# KiCad board msf-owl-clock.kicad_pcb (continued)
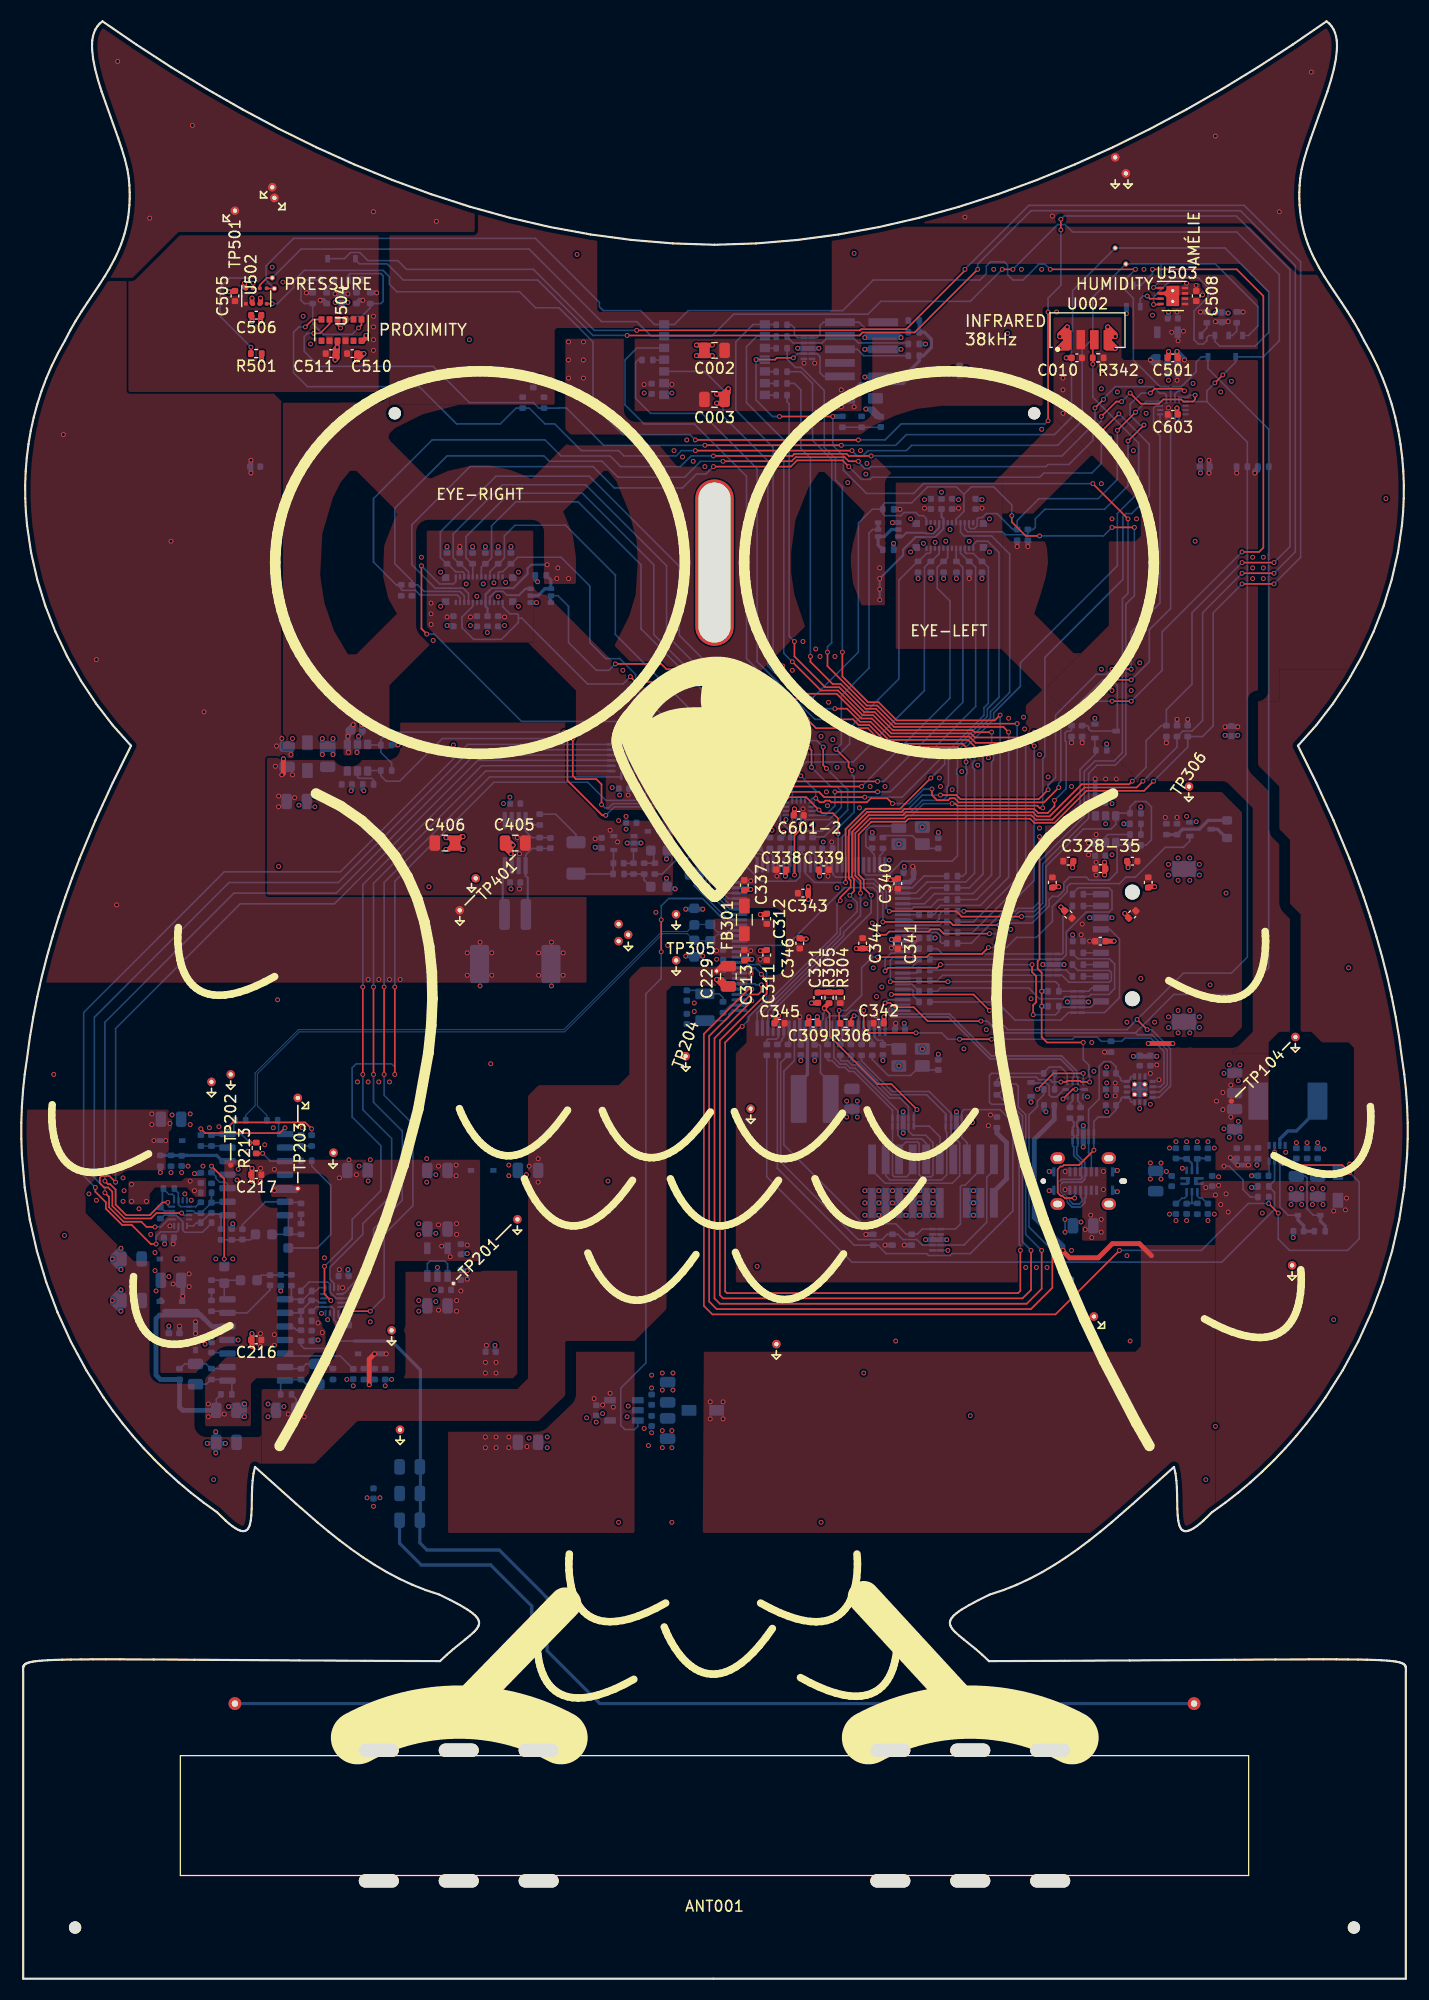
[diagram p0: board, top side]
## Routing (per net, layer and track width the routed paths; a pad name or vN(x,y) marks a point on that pad's centre or on a via; arc(x,y) is an arc through that point) (continued)
  Top w0.152: v1(76.84,101.1) 76.84,101.4 77.83,102.38 77.83,102.99 77.65,103.17 77.65,107.67 79.39,109.41 82.59,109.41 82.88,109.7 95.04,109.7 95.43,109.32 96.31,109.32 96.94,109.95 v1(96.94,110.5) ; v1(114.54,133.8) 116.14,133.8 116.54,134.2 116.54,157.8 114.04,160.3 v1(106.14,160.3) ; v1(104.14,119.8) v1(102.34,119.8)
  Bottom w0.152: v1(102.34,119.8) 100.44,119.8 98.54,117.9 R507.2 98.54,117.1 98.43,116.98 98.12,116.98 97.94,116.81 97.94,116.1 98.04,116 98.04,111.6 v1(96.94,110.5) ; v1(76.84,101.1) 76.54,100.8 76.54,98.06 69.04,90.56 U301.100 ; Q503.3 105.04,158.8 106.14,159.9 v1(106.14,160.3) ; v1(104.14,119.8) 107.04,122.7 107.04,126.3 v1(114.54,133.8)
/3-mcu-core/~{SDCARD_BUSYLED}: length 1.8
  Bottom w0.305: Q301.3 112.24,107.8 113.07,106.97 LED001.1
/3-mcu-core/~{SDCARD_FAULT}: length 50
  Top w0.152: v1(80.34,97.9) 81.14,97.9 81.44,98.2 85.14,98.2 85.34,98.4 86.14,98.4 86.54,98 v1(90.84,98)
  Bottom w0.152: R344.2 102.94,106.3 U302.4 102.83,106.42 102.83,103.78 102.06,103.02 100.23,103.02 99.94,103.3 98.34,103.3 97.83,102.78 97.83,102.04 97.28,101.5 96.74,101.5 96.45,101.2 96.45,100.6 94.84,98.99 92.64,98.99 91.64,98 v1(90.84,98) ; v1(80.34,97.9) 80.34,101.9 79.93,102.32 77.26,102.32 71.84,96.9 68.27,96.9 68.17,96.8 U301.13
/3-mcu-core/~{SS}: length 6.6
  Top w0.152: v1(72.54,103.5) 72.54,107.2 73.14,107.8 v1(73.14,108.3)
  Bottom w0.152: U602.2 v1(73.14,108.3)
  Bottom w0.305: U301.33 v1(72.54,103.5)
/3-mcu-core/~{TFT_RESET}: length 157.1
  Top w0.152: v1(95.54,135.3) 94.24,135.3 92.94,136.6 v1(92.94,137.2) ; v1(74.14,120) 72.34,120 70.74,121.6 57.64,121.6 v1(57.14,122.1) ; v1(104.44,136.1) v1(102.34,136.1) ; v1(80.84,99.1) 87.14,99.1 87.44,98.8 v1(91.74,98.8)
  Bottom w0.152: v1(91.74,98.8) 92.24,99.3 92.87,99.3 93.65,100.08 95.06,100.08 95.84,100.85 95.84,104.52 100.14,108.83 100.14,113 100.94,113.8 102.64,113.8 103.64,114.8 103.64,128.9 104.44,129.7 v1(104.44,136.1) ; NT607.1 82.84,137.5 82.54,137.2 81.04,137.2 80.83,137.41 R614.2 ; v1(102.34,136.1) 101.54,135.3 v1(95.54,135.3) ; v1(80.84,99.1) 80.84,101.83 79.97,102.7 78.64,102.7 78.04,103.3 76.41,103.3 76.17,103.54 76.17,103.7 76.04,103.83 U301.40 ; NT608.1 46.64,127.9 46.64,127.2 45.04,125.6 42.44,125.6 41.34,126.7 NT606.1 ; 88.44,139.2 89.14,139.9 91.24,139.9 92.94,138.2 v1(92.94,137.2) ; 88.44,139.2 87.74,139.9 85.04,139.9 83.54,138.4 81.04,138.4 80.83,138.19 R614.2 ; 88.44,139.2 NT605.1 ; R614.2 79.84,137.8 78.54,136.5 78.54,124.4 v1(74.14,120) ; 46.64,127.6 46.95,127.6 53.13,121.42 56.46,121.42 v1(57.14,122.1)
/3-mcu-core/~{WP}: length 23.9
  Top w0.152: v1(81.54,93.5) v1(86.94,93.5)
  Bottom w0.152: v1(81.54,93.5) 81.54,95.5 81.84,95.8 U301.65 ; CONN002.9 100.44,92.9 100.14,92.6 R326.2 97.35,93.19 97.04,93.5 v1(86.94,93.5)
/4-audio-out/AUDIO_SPK+: length 4.7
  Bottom w0.2: SPK001.1 45.17,99.97 45.17,103.23 45.37,103.43 U403.8
/4-audio-out/AUDIO_SPK-: length 8.3
  Bottom w0.152: 47.32,104.38 47.32,105.38 47.93,105.99 R409.2 49.61,105.99 C415.2
  Bottom w0.2: 47.32,104.38 47.32,103.43 47.52,103.23 47.52,99.97 SPK001.2
/4-audio-out/AUDIO_VDD_{+5V}: length 2.6
  Top w0.45: v1(24.59,114.4) 24.59,113.05 v1(24.44,112.9)
  Bottom w0.305: v1(44.84,108.6) 44.86,108.61 U403.1
  Bottom w0.45: v1(60.34,107.6) D401.1
  vias: v1(23.84,113.7) v1(24.14,110.9) v1(24.14,109.9) v1(25.44,112.9) v1(25.64,110.75) v1(46.54,107) v1(46.74,105.5) v1(46.74,102.2) v1(53.84,106.9) v1(55.24,107.7) v1(55.94,106.6)
/5-sensors/I^{2}C_SCL_{+2.8V}: length 140.9
  Top w0.152: U503.4 106.84,157 v1(106.24,157) ; U504.5 28.92,155.17 28.04,154.3 v1(27.44,154.3) ; v1(64.14,143.8) v1(76.94,143.8)
  Bottom w0.152: v1(76.94,143.8) 82.04,143.8 83.04,144.8 96.94,144.8 98.54,146.4 98.54,154.42 98.64,154.52 98.64,158.3 TP502.1 112.94,162.3 117.04,158.2 117.04,154.37 115.77,153.1 112.44,153.1 111.99,153.55 Q501.2 111.44,154.1 111.24,153.9 111.24,153.61 110.93,153.3 110.44,153.3 110.04,153.7 110.04,156.4 111.34,157.7 111.34,158.6 110.44,159.5 108.04,159.5 106.24,157.7 v1(106.24,157) ; v1(64.14,143.8) 54.64,143.8 51.14,147.3 50.44,147.3 50.43,147.29 R505.2 48.55,147.29 48.04,147.8 42.04,147.8 38.64,151.2 27.94,151.2 26.54,152.6 26.54,154 26.84,154.3 v1(27.44,154.3)
/5-sensors/I^{2}C_SDA_{+2.8V}: length 124.4
  Top w0.152: U504.6 27.34,155.6 v1(26.64,154.9) ; U503.1 106.29,158.55 v1(106.24,158.6) ; v1(63.24,143.3) v1(77.94,143.3)
  Bottom w0.152: v1(63.24,143.3) 61.94,143.3 61.44,142.8 56.54,142.8 56.04,143.3 52.54,143.3 50.04,145.8 49.14,145.8 47.65,147.29 R506.2 46.43,147.29 44.94,145.8 40.84,145.8 37.34,149.3 26.84,149.3 25.54,150.6 25.54,154.4 26.04,154.9 v1(26.64,154.9) ; v1(77.94,143.3) 78.44,142.8 78.94,142.8 79.44,143.3 83.04,143.3 83.54,143.8 97.24,143.8 99.54,146.1 99.54,152.8 100.54,153.8 100.54,157.7 TP503.1 112.04,160.8 116.04,156.8 116.04,155 115.14,154.1 Q502.2 ; v1(106.24,158.6) 106.94,159.3 106.94,160.8
/5-sensors/SENSOR_VDD_{+2.8V}: length 6.3
  Bottom w0.45: v1(32.04,157.4) 31.75,157.4 R510.1 ; R512.1 32.75,158.1 v1(33.34,158.1) ; v1(30.64,158) v1(29.44,158) ; R504.1 114.05,156.3 v1(114.64,156.3) ; R513.1 27.33,158.1 v1(26.74,158.1) ; v1(110.64,156.3) 111.23,156.3 R503.1 ; R511.1 28.33,157.4 v1(28.04,157.4) ; v1(113.24,155.4) v1(112.04,155.4)
  vias: v1(33.04,155.9) v1(33.04,154.9) v1(33.04,153.7) v1(33.04,152.7) v1(51.34,153.5) v1(51.34,151.8) v1(51.34,150.1) v1(52.74,153.5) v1(52.74,151.8) v1(52.74,150.1) v1(107.94,154.4) v1(108.44,156.3) v1(108.54,153.6) v1(109.04,154.5)
/6-tft-driver/TFT0.L_{IO1}: length 45.6
  Top w0.152: v1(79.14,110.8) 75.34,110.8 74.84,111.3 71.78,111.3 70.58,110.1 70.27,110.1 69.74,109.57 69.74,108.72 68.84,107.82 v1(68.34,107.82)
  Bottom w0.152: v1(68.34,107.82) U601.3 ; v1(79.14,110.8) 82.64,110.8 90.33,118.48 90.33,119.18 90.74,119.6 90.74,132.35 90.19,132.91 R607.1 90.08,132.91 89.33,133.66 88.66,133.66 88.52,133.8 CONN005.15
/6-tft-driver/TFT0.L_{IO2}: length 38.1
  Top w0.152: v1(70.04,112) 70.33,112.28 v1(80.34,112.28)
  Bottom w0.152: CONN005.17 87.72,132.93 R603.1 87.79,132.91 88.34,132.35 88.34,119.7 80.93,112.28 v1(80.34,112.28) ; U601.12 69.14,111.1 v1(70.04,112)
/6-tft-driver/TFT0.L_{IO3}: length 38.4
  Top w0.152: v1(71.04,111.8) v1(78.84,111.8)
  Bottom w0.152: CONN005.19 86.92,133.24 86.59,132.91 R609.1 86.5,132.91 85.94,132.35 85.94,130.4 87.14,129.2 87.14,120.1 v1(78.84,111.8) ; U601.16 69.94,109.1 70.04,109 70.63,109 70.83,109.2 70.83,110.18 71.04,110.4 v1(71.04,111.8)
/6-tft-driver/TFT0.L_{SCLK}: length 32
  Bottom w0.152: U602.9 72.34,112.8 73.64,114.1 78.04,114.1 84.74,120.8 84.74,132.35 85.3,132.91 R613.1 85.39,132.91 86.12,133.64 CONN005.21
/6-tft-driver/TFT0.L_{SDIN}: length 35.4
  Top w0.152: v1(70.34,114.8) 69.64,114.8 67.74,112.9 v1(67.74,112.2)
  Bottom w0.152: U601.9 67.94,111 67.74,111.2 v1(67.74,112.2) ; v1(70.34,114.8) 76.72,114.8 77.73,115.8 77.73,117.28 82.34,121.9 82.34,131.15 84.1,132.91 R605.1 84.19,132.91 84.94,133.66 85.21,133.66 85.32,133.78 CONN005.23
/6-tft-driver/TFT0.L_{TE}: length 1
  Bottom w0.152: NT603.1 89.64,134.8 89.32,134.48 CONN005.13
/6-tft-driver/TFT0.LED_{K}: length 4.7
  Bottom w0.152: 85.7,135.64 85.58,135.52 84.93,135.52 84.84,135.6 84.64,135.6
  Bottom w0.2: 85.7,135.64 86.12,136.06 CONN005.4 ; Q602.3 82.69,135.25 83.04,135.6 84.64,135.6
/6-tft-driver/TFT0.TP_{INT}: length 2.7
  Bottom w0.152: NT601.1 88.48,135.3 88.12,135.65 CONN005.9
/6-tft-driver/TFT0.TP_{SCL}: length 28.1
  Top w0.152: v1(104.54,146.9) v1(102.84,145.2)
  Bottom w0.152: v1(104.54,146.9) 105.54,147.9 U603.16 ; v1(102.84,145.2) 102.84,140.6 101.04,138.8 95.49,138.8 93.44,136.75 R618.2 93.03,135.91 91.54,137.4 90.54,137.4 90.16,137.01 89.83,137.01 89.7,136.88 89.7,136.25 89.43,135.98 89.06,135.98 88.92,136.12 CONN005.11
/6-tft-driver/TFT0.TP_{SDA}: length 35.1
  Top w0.152: v1(103.84,144.2) v1(105.34,145.7) ; v1(105.94,148.7) 106.34,149.1 108.94,149.1 v1(109.14,148.9)
  Bottom w0.152: v1(105.34,145.7) 104.98,145.7 104.04,146.63 104.04,147.65 105.09,148.7 v1(105.94,148.7) ; v1(109.14,148.9) 108.54,148.9 108.24,148.6 U603.3 ; CONN005.10 88.52,135.95 88.79,135.68 92.06,135.68 92.33,135.41 94.36,135.41 94.44,135.5 R616.2 94.95,135.91 95.14,136.1 95.14,136.9 96.04,137.8 101.64,137.8 103.84,140 v1(103.84,144.2)
/6-tft-driver/TFT0.~{L_{CS}}: length 35.9
  Top w0.152: v1(80.34,111.3) v1(76.34,111.3)
  Bottom w0.152: v1(76.34,111.3) 76.34,110 75.44,109.1 U602.16 ; CONN005.16 88.12,133.68 88.9,132.91 R611.2 89,132.91 89.54,132.36 89.54,119.3 81.54,111.3 v1(80.34,111.3)
/6-tft-driver/TFT0.~{L_{RES}}: length 1.8
  Bottom w0.152: NT607.2 83.94,137.5 84.24,137.2 84.64,137.2 84.92,136.92 CONN005.1
/6-tft-driver/TFT0.~{TP_{RST}}: length 1.4
  Bottom w0.152: CONN005.8 87.72,136.87 NT605.2
/6-tft-driver/TFT1.L_{IO1}: length 66.3
  Top w0.152: v1(67.54,108.4) 67.54,109.92 68.83,111.2 68.83,111.59 68.54,111.88 68.1,111.88 67.92,111.7 67.57,111.7 66.76,112.5 66.76,113.09 67.05,113.38 67.63,113.38 v1(70.74,116.5)
  Bottom w0.152: CONN006.15 41.56,131.78 41.41,131.93 40.76,131.93 40,132.69 R606.1 39.9,132.69 39.32,133.26 39.32,135.68 44.54,140.9 53.29,140.9 61.74,132.45 61.74,125.97 70.74,116.97 v1(70.74,116.5) ; U601.4 67.94,108.75 67.59,108.4 v1(67.54,108.4)
/6-tft-driver/TFT1.L_{IO2}: length 52.2
  Top w0.152: v1(66.34,117) v1(66.34,115.6)
  Bottom w0.152: v1(66.34,115.6) 66.34,114.7 68.84,112.2 68.84,111.2 68.74,111.1 U601.11 ; CONN006.17 42.36,132.6 41.72,133.24 41.72,135.23 45.79,139.3 52.64,139.3 59.34,132.6 59.34,126.05 66.34,119.05 v1(66.34,117)
/6-tft-driver/TFT1.L_{IO3}: length 57.9
  Top w0.152: v1(65.86,117.9) 65.86,114.93 66.46,114.33 66.46,109.99 66.16,109.69 66.16,107.7 66.45,107.42 66.83,107.42 67.21,107.03 69.48,107.03 69.84,107.4 69.84,108.1 v1(70.24,108.5)
  Bottom w0.152: CONN006.19 43.16,132.37 43.48,132.69 R608.1 43.6,132.69 44.12,133.21 44.12,136.23 46.39,138.5 52.24,138.5 58.14,132.6 58.14,126.6 65.86,118.88 v1(65.86,117.9) ; v1(70.24,108.5) 69.34,108.5 69.14,108.7 U601.1
/6-tft-driver/TFT1.L_{SCLK}: length 46.8
  Bottom w0.152: CONN006.21 43.96,131.94 44.71,132.69 R612.1 44.79,132.69 45.32,133.22 45.32,135.3 46.33,136.3 51.07,136.3 55.74,131.62 55.74,126.05 65.49,116.3 67.84,116.3 70.86,113.28 71.3,113.28 71.74,112.84 U602.8
/6-tft-driver/TFT1.L_{SDIN}: length 37.8
  Bottom w0.152: 45.91,132.69 45.16,131.93 44.86,131.93 44.76,131.84 CONN006.23 ; U601.8 66.94,110.3 66.54,110.7 66.54,112.1 57.64,121 57.64,122.3 56.14,123.8 54.84,123.8 53.34,125.3 53.34,130.6 50.64,133.3 46.59,133.3 45.98,132.69 45.92,132.69
/6-tft-driver/TFT1.L_{TE}: length 1
  Bottom w0.152: 40.76,131.41 40.76,131.02 40.54,130.8 NT604.1
/6-tft-driver/TFT1.LED_{K}: length 5
  Bottom w0.152: 45.74,129.74 45.56,129.74 45.2,130.1 44.51,130.1 44.31,129.89
  Bottom w0.2: 45.74,129.74 46.69,129.74 47.3,130.35 Q603.3 ; 44.31,129.89 43.96,129.55 CONN006.4
/6-tft-driver/TFT1.TP_{INT}: length 2.8
  Bottom w0.152: NT602.1 41.46,130.4 41.96,129.89 41.96,129.01
/6-tft-driver/TFT1.TP_{SCL}: length 98.8
  Top w0.152: v1(79.74,142.8) 77.64,142.8 77.45,142.99 72.54,142.99 72.34,142.8 v1(64.94,142.8) ; v1(101.54,148.1) v1(100.74,147.3)
  Bottom w0.152: v1(79.74,142.8) 97.64,142.8 100.74,145.9 v1(100.74,147.3) ; v1(64.94,142.8) 62.84,142.8 61.84,141.8 56.24,141.8 55.24,142.8 50.64,142.8 49.14,144.3 38.54,144.3 33.04,138.8 33.04,132.85 35.19,130.7 35.24,130.7 35.25,130.71 R617.2 35.64,130.3 35.74,130.2 36.97,130.2 37.41,129.76 40.9,129.76 41.16,129.5 CONN006.11 ; U603.1 107.44,148.5 107.27,148.67 106.82,148.67 106.19,149.3 102.67,149.3 101.54,148.17 v1(101.54,148.1)
/6-tft-driver/TFT1.TP_{SDA}: length 99.8
  Top w0.152: v1(65.84,142.3) 72.28,142.3 72.67,142.69 77.25,142.69 77.64,142.3 v1(78.54,142.3) ; v1(103.24,147.9) 102.74,147.9 v1(101.34,146.5) ; v1(104.04,148.7) 105.04,147.7 106.74,147.7 107.14,148.1 108.84,148.1 109.04,147.9 109.94,147.9 110.14,148.1 v1(110.14,148.5)
  Bottom w0.152: 41.56,129.01 41.56,129.68 41.15,130.09 37.8,130.09 37.18,130.71 R615.2 36.64,131.1 35.04,132.7 35.04,137.9 39.94,142.8 49.04,142.8 49.54,142.3 54.49,142.3 55.99,140.8 62.24,140.8 63.74,142.3 v1(65.84,142.3) ; v1(78.54,142.3) 78.54,142.22 79.15,141.62 79.54,141.62 79.72,141.8 96.14,141.8 96.34,142 98.29,142 100.54,144.25 100.54,145.26 101.34,146.06 v1(101.34,146.5) ; v1(110.14,148.5) 109.64,148.5 109.44,148.3 108.64,148.3 U603.4 ; v1(103.24,147.9) v1(104.04,148.7)
/6-tft-driver/TFT1.~{L_{CS}}: length 65.5
  Top w0.152: v1(73.84,115.5) 74.14,115.2 v1(74.14,113.6)
  Bottom w0.152: U602.1 73.54,108.7 75.8,108.7 76.94,109.84 76.94,111.37 76.54,111.78 75.96,111.78 v1(74.14,113.6) ; CONN006.16 41.96,131.92 41.2,132.69 R610.2 41.09,132.69 40.52,133.25 40.52,135.48 45.14,140.1 52.94,140.1 60.54,132.5 60.54,126 67.14,119.4 67.14,119.06 70.71,115.5 v1(73.84,115.5)
/6-tft-driver/TFT1.~{L_{RES}}: length 1.4
  Bottom w0.152: CONN006.1 45.16,128.68 45.84,128 NT608.2
/6-tft-driver/TFT1.~{TP_{RST}}: length 1.9
  Bottom w0.152: CONN006.8 42.36,128.72 41.34,127.7 NT606.2
/BC805M_V_{DD}: length 12.8
  Bottom w0.305: R001.2 R003.1 84.74,154.4 85.4,153.74 85.4,152.95 84.64,152.2 R002.1 84.25,151.71 83.24,150.7 83.24,150.1 82.73,149.58 78.73,149.58 v1(78.14,149)
  vias: v1(58.44,149.5) v1(61.04,149.5) v1(73.44,151.5) v1(74.44,151.5) v1(76.94,149) v1(76.94,147.4) v1(78.14,147.4)
/CORE_VDD_{+3.3V}: length 41.2
  Top w0.45: v1(22.54,151.8) 22.54,152.39 R501.1 ; U502.6 22.44,157.15 v1(22.44,157.6) ; v1(22.44,155.4) 22.44,155.92 C506.1 ; v1(108.44,152.6) 108.44,152.08 C501.1
  Bottom w0.152: v1(80.14,90.3) 80.14,90.22 80.54,89.82 U301.77 ; v1(81.54,102.25) 81.54,102.3 81.92,102.67 82.71,102.67 U301.51 ; R114.1 115.34,73.3 114.64,74 114.64,74.9 113.34,76.2 v1(112.84,76.2) ; 73.04,87.68 C301.1 ; U205.10 57.74,115.76 v1(57.74,116.2)
  Bottom w0.305: 73.04,87.68 U301.92 v1(73.04,90.2) ; 84.16,97.5 84.16,97.48 83.48,96.8 U301.63 81.79,96.8 v1(81.64,96.65)
  Bottom w0.45: v1(115.14,76.3) v1(114.14,76.3) v1(113.44,77) ; v1(79.24,69.8) 79.93,69.8 R301.2 ; v1(114.04,141.2) 114.04,141.79 R318.1 ; v1(93.44,134.3) R618.1 ; v1(100.76,112.52) C326.1 ; v1(112.94,117.4) v1(114.14,117.4) ; 83.84,97.3 v1(83.84,97.5) 84.16,97.5 C306.1 ; v1(108.44,118.1) R508.1 ; v1(81.04,68.8) 81.73,68.8 R302.2 ; v1(83.64,104.3) 83.72,104.22 C305.1 83.72,103.18 83.37,102.82 82.71,102.82 ; v1(107.44,115.9) R502.1 ; R319.1 116.03,141.49 v1(115.74,141.2) 115.74,141.4 116.04,141.7 ; v1(101.64,86.9) 102.23,86.9 R109.1 ; v1(105.94,151.8) 106.24,151.5 106.64,151.5 ; v1(105.94,151.8) 106.24,152.1 106.64,152.1 ; v1(105.94,151.8) U501.3 ; v1(99.54,115.9) 99.54,116.48 R601.1 ; v1(94.44,134.3) R616.1 ; v1(82.84,68.8) 83.53,68.8 R303.2 ; v1(82.04,89.6) 82.04,89.08 C307.1 ; v1(82.44,137.8) R614.1 ; v1(111.44,142.4) v1(111.44,141.2) ; v1(109.44,118.1) R509.1 ; v1(88.94,131.3) R611.1 ; U501.1 108.44,151.85 v1(108.44,152.6) 109.14,151.9 v1(109.14,151.8) ; v1(98.54,115.9) R507.1 ; v1(41.14,134.3) R610.1
  vias: v1(38.44,129) v1(38.44,128) v1(38.44,127) v1(39.94,127.7) v1(42.14,127.7) v1(45.34,127.7) v1(56.94,111) v1(57.24,112.7) v1(57.64,111.7) v1(67.24,104.3) v1(68.44,102.95) v1(68.94,109.69) v1(70.89,103.4) v1(73.34,109.7) v1(75.69,103.4) v1(76.04,106.6) v1(84.74,137.9) v1(87.94,137.9) v1(90.14,137.9) v1(90.74,80) v1(90.94,81) v1(97.74,150.1) v1(97.74,149) v1(97.74,147.9) v1(97.74,146.8) v1(101.74,112.5) v1(102.64,84) v1(102.64,82.8) v1(102.74,112.5) v1(105.94,84.9) v1(106.54,85.7) v1(106.74,84.3) v1(107.64,147.3) v1(108.44,149.9) v1(112.14,82.3) v1(112.74,83.1) v1(112.74,81.5) v1(113.49,83.8) v1(113.49,80.8)
/~{BC805M_RESET}: length 107
  Top w0.152: v1(100.54,140.2) 100.54,140.2 v1(103.84,136.9) ; v1(76.14,146.5) v1(71.14,146.5) ; v1(92.64,100.1) v1(88.44,100.1) ; v1(72.44,152) 70.89,152 70.72,151.83 v1(68.94,151.83)
  Bottom w0.152: 76.3,150.26 CONN003.10 75.28,150.26 74.94,150.6 74.94,152.11 74.66,152.4 D001.4 D001.7 72.84,152.4 v1(72.44,152) ; v1(76.14,146.5) 76.14,143.8 77.14,142.8 77.14,141.45 79.32,139.28 83.73,139.28 84.64,140.2 84.64,140.2 v1(100.54,140.2) ; v1(103.84,136.9) 103.84,129.91 103.32,129.39 103.32,114.97 102.54,114.2 100.74,114.2 99.74,113.19 99.74,108.99 95.54,104.79 95.54,100.98 94.94,100.38 93.52,100.38 93.23,100.1 v1(92.64,100.1) ; R013.1 77.03,146.5 ; v1(71.14,146.5) 70.49,146.5 68.94,148.04 v1(68.94,151.83) ; R014.1 v1(88.44,100.1)
  Bottom w0.45: 77.03,146.5 v1(76.14,146.5) ; v1(68.94,151.83) U001.4
Net-(C011-Pad1): length 3.6
  Bottom w0.152: R013.2 R012.2 80.61,145.49 C011.1
Net-(C219-Pad2): length 4.8
  Bottom w0.152: 19.24,56.19 R203.2 17.8,56.19 17.36,55.75 C219.2 ; 19.75,55.89 R205.1
  Bottom w0.2: 19.24,56.19 U203.8 19.55,56.09 19.75,55.89
Net-(C225-Pad2): length 4.9
  Bottom w0.152: C225.2 26.74,55.75 26.3,56.19 R209.2 24.84,56.19 U203.7 24.33,56.09 R211.1
Net-(C230-Pad1): length 12.2
  Bottom w0.152: R212.1 27.25,76.19 29.04,74.4 29.04,69.8 27.77,68.52 C230.1
Net-(C236-Pad1): length 3.4
  Bottom w0.152: 24.31,65.98 C237.1 22.54,65.98 22.12,65.55 22.12,65.5 ; R231.2 R232.1
Net-(C241-Pad1): length 3.5
  Bottom w0.152: 21.97,69.8 21.97,69.76 21.5,69.29 R241.2
Net-(C316-Pad1): length 5.8
  Bottom w0.152: C316.1 84.94,106 XTAL301.3 84.39,106.4 83.59,107.2 81.03,107.2 R307.2 80.83,107.01
Net-(C318-Pad1): length 7.7
  Bottom w0.152: R308.2 79.84,86.2 81.34,84.7 83.44,84.7 84.34,85.6 XTAL302.3 84.92,85.22 C318.1
Net-(C320-Pad1): length 4.1
  Bottom w0.152: C320.1 63.81,92.68 XTAL303.2 65.5,92.35 65.84,92 R309.2
Net-(C321-Pad1): length 2.1
  Top w0.45: R304.2 74.77,92.51 C321.1
Net-(C408-Pad2): length 5.7
  Bottom w0.152: 63.31,106.67 63.04,106.67 ; 63.14,106.57 63.14,105.7 62.44,105 61.54,105 60.13,103.59 R404.1
Net-(C409-Pad2): length 2.4
  Bottom w0.152: C409.2 59.16,105.8 59.34,105.61 59.34,104.71 R404.2 R405.1
Net-(C410-Pad2): length 3.3
  Bottom w0.152: C410.2 58.44,103.02 R405.2 58.43,103.6 R407.1
Net-(C411-Pad2): length 5.8
  Bottom w0.152: U402.4 55.56,105.82 C411.2 55.53,104.57 R407.2 52.07,103.6 C412.1
Net-(C412-Pad2): length 4.9
  Bottom w0.152: 52.04,106.57 52.04,107.3 50.13,109.21 R408.1
Net-(CONN002-CMD): length 1.6
  Bottom w0.152: R020.1 CONN002.3
Net-(CONN002-DAT0): length 1.6
  Bottom w0.152: CONN002.7 R019.1
Net-(CONN002-DAT1): length 1.6
  Bottom w0.152: R018.1 CONN002.8
Net-(CONN002-DAT2): length 1.6
  Bottom w0.152: R022.1 CONN002.1
Net-(CONN002-DAT3/CD): length 1.6
  Bottom w0.152: R021.1 CONN002.2
Net-(CONN003-SWDCLK): length 12.2
  Bottom w0.152: R006.1 83.13,153.4 78.54,153.4 77.87,154.07 CONN003.4 75.81,154.07 75.14,153.4 D001.2 D001.9 72.42,153.4 71.85,153.96 R005.1
Net-(CONN003-SWDIO): length 13.7
  Bottom w0.152: R004.1 72.24,155.1 72.54,154.8 72.54,154.2 72.84,153.9 D001.10 D001.1 74.64,153.9 74.94,154.2 74.94,155.03 75.25,155.34 CONN003.2 78.6,155.34 79.24,154.7 82.93,154.7 R003.2
Net-(CONN003-SWO): length 6.7
  Bottom w0.152: R002.2 79.04,152.2 78.44,152.8 CONN003.6
Net-(CONN004-V_{CC}): length 7.9
  Bottom w0.45: CONN004.1 91.26,73.81 92.44,75 92.44,78.4 91.54,79.3 R015.1
Net-(D101-A): length 9.2
  Bottom w0.152: U104.2 118.09,72.38 118.88,71.6 D101.2 ; 120.44,69.98 C121.1
  Bottom w0.305: R110.2 C121.1 120.32,70.62 119.79,71.15 D101.2
Net-(D101-K): length 7.2
  Bottom w0.152: D101.1 121.24,71.6 120.64,72.2 120.64,75.1 120.49,75.25 C117.1
  Bottom w0.305: R110.1 122.35,70.59 121.89,71.05 D101.1
Net-(D201-A): length 1.5
  Bottom w0.152: C218.1 19.25,58.72 U203.10
Net-(D204-A): length 7
  Bottom w0.152: U203.5 24.97,58.4 29.92,58.4 C224.1
Net-(D206-A): length 7
  Bottom w0.305: R220.2 R221.1 15.54,77.21 ; U204.12 18.87,76.67 18.33,77.21 15.07,77.21 C232.1
Net-(D401-A): length 0.7
  Bottom w0.152: U403.3 U403.2
Net-(L101-P1): length 6.1
  Bottom w0.305: U104.7 118.09,78.75 118.84,79.5 119.64,79.5 121.62,81.47 L101.1
Net-(LED001-A): length 6.3
  Bottom w0.305: LED001.2 111.37,108.62 110.54,107.8 108.97,107.8 108.46,107.29 R017.1
Net-(Q101-G): length 4.6
  Bottom w0.152: Q101.1 94.8,83.99 96.2,83.99 96.44,83.74 96.44,82.9 96.64,82.7 97.14,82.7 97.84,83.4 U102.10
Net-(Q301-G): length 43.8
  Top w0.152: v1(80.34,95.8) 84.94,95.8 85.24,96.1 90.14,96.1 v1(90.74,96.7) ; v1(76.74,90.8) 76.74,89.69 R306.2
  Bottom w0.152: v1(90.74,96.7) 92.44,96.7 93.39,97.65 95.24,97.65 96.75,99.16 96.75,100.53 98.14,101.92 98.14,102.39 98.44,102.69 103.04,102.69 103.64,103.3 104.54,103.3 107.34,106.1 109.04,106.1 109.64,106.7 Q301.1 ; v1(80.34,95.8) 79.84,95.8 78.84,94.8 78.84,92.22 77.42,90.8 v1(76.74,90.8)
Net-(Q501-G): length 1.4
  Bottom w0.152: Q501.1 110.69,154.25 111.24,154.8 R503.2
Net-(Q502-G): length 1.7
  Bottom w0.152: R504.2 114.04,154.5 113.64,154.1 Q502.1
Net-(Q503-G): length 2.9
  Top w0.152: U503.3 105.89,157.55 v1(105.64,157.8)
  Bottom w0.152: Q503.1 104.99,157.55 105.24,157.8 v1(105.64,157.8)
Net-(Q504-G): length 1.4
  Bottom w0.152: R510.2 31.44,158.62 31.99,159.17 Q504.1
Net-(Q504-S): length 12.4
  Top w0.152: U504.4 29.67,155.07 v1(29.94,154.8)
  Bottom w0.152: v1(29.94,154.8) 31.04,155.9 31.94,155.9 32.74,156.7 R512.2 33.73,157.09 33.94,157.3 33.94,159.7 33.74,159.9 30.84,159.9 30.69,159.75 Q504.2
Net-(Q505-G): length 1.5
  Bottom w0.152: Q505.1 29.39,159.25 28.64,158.5 R511.2
Net-(Q505-S): length 12.6
  Top w0.152: U504.1 31.92,155.07 v1(31.64,154.8)
  Bottom w0.152: Q505.2 26.54,159.3 26.24,159 26.24,157.4 26.55,157.09 R513.2 27.34,155.2 28.34,154.2 31.04,154.2 v1(31.64,154.8)
Net-(Q601-D): length 84.2
  Top w0.152: v1(97.34,111.7) 95.95,110.31 87.97,110.31 87.58,110.69 87.14,110.69 86.97,110.52 85.93,110.52 85.44,111 v1(85.44,111.56) ; v1(74.54,110.7) 74.93,110.32 75.29,110.32 75.45,110.48 75.84,110.48 76,110.32 79.34,110.32 79.72,110.7 81.24,110.7 v1(81.74,110.2) ; v1(104.14,121.8) v1(102.34,121.8) ; v1(73.14,112.8) v1(70.84,112.8)
  Bottom w0.152: v1(97.34,111.7) 97.34,112.1 97.54,112.3 97.54,117.9 101.44,121.8 v1(102.34,121.8) 102.84,121.3 102.84,117.1 Q601.3 100.35,117 100.16,117.19 100.16,117.37 100.03,117.51 R601.2 ; v1(81.74,110.2) 83.31,110.2 84.68,111.56 v1(85.44,111.56) ; v1(73.14,112.8) 74.54,111.4 v1(74.54,110.7) 74.24,110.7 74.14,110.6 U602.13 ; v1(70.84,112.8) 70.54,112.5 70.54,111.82 70.24,111.52 70.24,111.52 69.74,111.02 U601.13 ; U603.13 106.84,146 107.84,145 107.84,128.5 105.84,126.5 105.84,123.5 v1(104.14,121.8)
Net-(Q602A-E): length 3.6
  Bottom w0.305: Q602.2 81.64,135.9 80.99,135.25 Q602.4 80.39,134.44 R619.1
Net-(Q603A-E): length 3.6
  Bottom w0.305: Q603.2 48.48,129.7 49.13,130.35 Q603.4 49.69,131.16 R620.1
Net-(R213-Pad2): length 16
  Top w0.152: v1(21.44,78.4) 22.03,78.4 R213.2 ; v1(19.34,79.8) 19.84,80.3 26.64,80.3 v1(27.24,79.7)
  Bottom w0.152: U204.14 19.94,79.21 19.94,80.41 R219.1 ; U204.14 20.63,79.21 v1(21.44,78.4) ; U204.14 19.24,79.11 R218.2 ; U204.14 v1(19.34,79.8) ; R216.2 v1(27.24,79.7)
Net-(R214-Pad1): length 12.9
  Top w0.152: v1(24.74,79.8) 24.24,79.3 17.24,79.3 v1(16.84,79.7)
  Bottom w0.152: R217.2 v1(16.84,79.7) ; U204.1 24.14,79.21 24.14,80.41 R214.1 ; U204.1 24.84,79.11 R215.2 ; U204.1 v1(24.74,79.8)
Net-(R233-Pad2): length 0.9
  Bottom w0.152: R233.2 R234.1
Net-(R243-Pad2): length 0.9
  Bottom w0.152: R244.1 R243.2
Net-(R345-Pad2): length 1
  Bottom w0.152: R345.2 R346.1
Net-(U001-P012): length 1.1
  Bottom w0.152: U001.7 69.8,148.5 R010.2
Net-(U001-P014): length 1.1
  Bottom w0.152: R011.1 60.29,151.8 U001.11
Net-(U001-P016): length 1.1
  Bottom w0.152: U001.6 69.8,149.6 R009.2
Net-(U001-P018): length 1.1
  Bottom w0.152: U001.5 69.8,150.7 R008.2
Net-(U001-P020): length 1.1
  Bottom w0.152: U001.3 69.8,152.9 R007.2
Net-(U101-DV/DT): length 1.7
  Bottom w0.152: U101.10 109.34,73.4 109.13,73.18 108.89,73.18 108.38,72.68 C107.1
Net-(U101-EN): length 2.4
  Bottom w0.152: 109.94,72.71 109.93,72.71 109.84,72.8 ; 109.94,72.71 109.74,72.71 ; 109.94,72.71 R101.2 ; 109.84,72.8 109.75,72.71 109.74,72.71 ; 109.84,72.8 109.84,72.71 ; 109.84,72.8 U101.9 ; C104.1 109.37,72.71 109.74,72.71
Net-(U101-GATE): length 1.7
  Bottom w0.152: C108.1 111.3,72.68 110.78,73.2 110.54,73.2 110.34,73.4 U101.8
Net-(U101-ILIMIT): length 2.3
  Bottom w0.2: U101.4 109.84,76.43 109.39,76.89 R103.1 109.31,76.92 C106.1
Net-(U101-MODE): length 2.1
  Bottom w0.2: C105.1 110.37,76.92 R102.1 U101.5
Net-(U102-DM_CON): length 1.4
  Bottom w0.128: R108.2 98.64,81.71
  Bottom w0.17: R108.2 98.39,82.06 98.64,82.31 U102.8
Net-(U102-DP_CON): length 1.4
  Bottom w0.128: R107.2 99.14,81.71
  Bottom w0.17: U102.7 99.14,82.3 99.39,82.05 R107.2
Net-(U104-SS_TR): length 1.4
  Bottom w0.152: C122.1 117.09,75.37 U104.4
Net-(U201-OUT): length 4.4
  Bottom w0.152: U202.1 39.99,67.05 39.74,67.3 38.34,67.3 38.09,67.05 U202.3
  vias: v1(39.14,62.7) v1(40.84,63.6) v1(40.84,62.6) v1(41.24,64.5) v1(41.84,65.6) v1(43.54,57.8) v1(43.54,56.8) v1(43.54,50.8) v1(43.54,49.8) v1(43.64,59.4) v1(44.54,57.8) v1(44.54,56.8) v1(44.54,50.8) v1(44.54,49.8) v1(45.74,50.8) v1(45.74,49.8) v1(47.44,49.9) v1(53.74,54.4) v1(54.54,53.8) v1(55.24,54.9) v1(55.54,53.6)
Net-(U203A-+): length 1.6
  Bottom w0.152: U203.3 24.91,61 25.64,61 25.83,60.81 R225.2
Net-(U203B--): length 4.9
  Bottom w0.152: U203.6 24.89,57.21 R209.1 26.29,57.21 26.73,57.65 C225.1 28.75,57.65 29.19,57.21 R210.1
Net-(U203C--): length 4.9
  Bottom w0.152: R204.1 14.89,57.21 15.33,57.65 C219.1 17.35,57.65 17.79,57.21 R203.1 19.19,57.21
  Bottom w0.2: 19.19,57.21 U203.9
